# Altium PCB PCB1.PcbDoc (part 2 of 2)
Units mm, origin at the board's own origin, x right, y up, seen from the top; angles counter-clockwise.
Board outline 92 x 92 mm, 2 copper layers (Top Layer, Bottom Layer); 282 components, 201 nets, 653 pads, 138 vias.
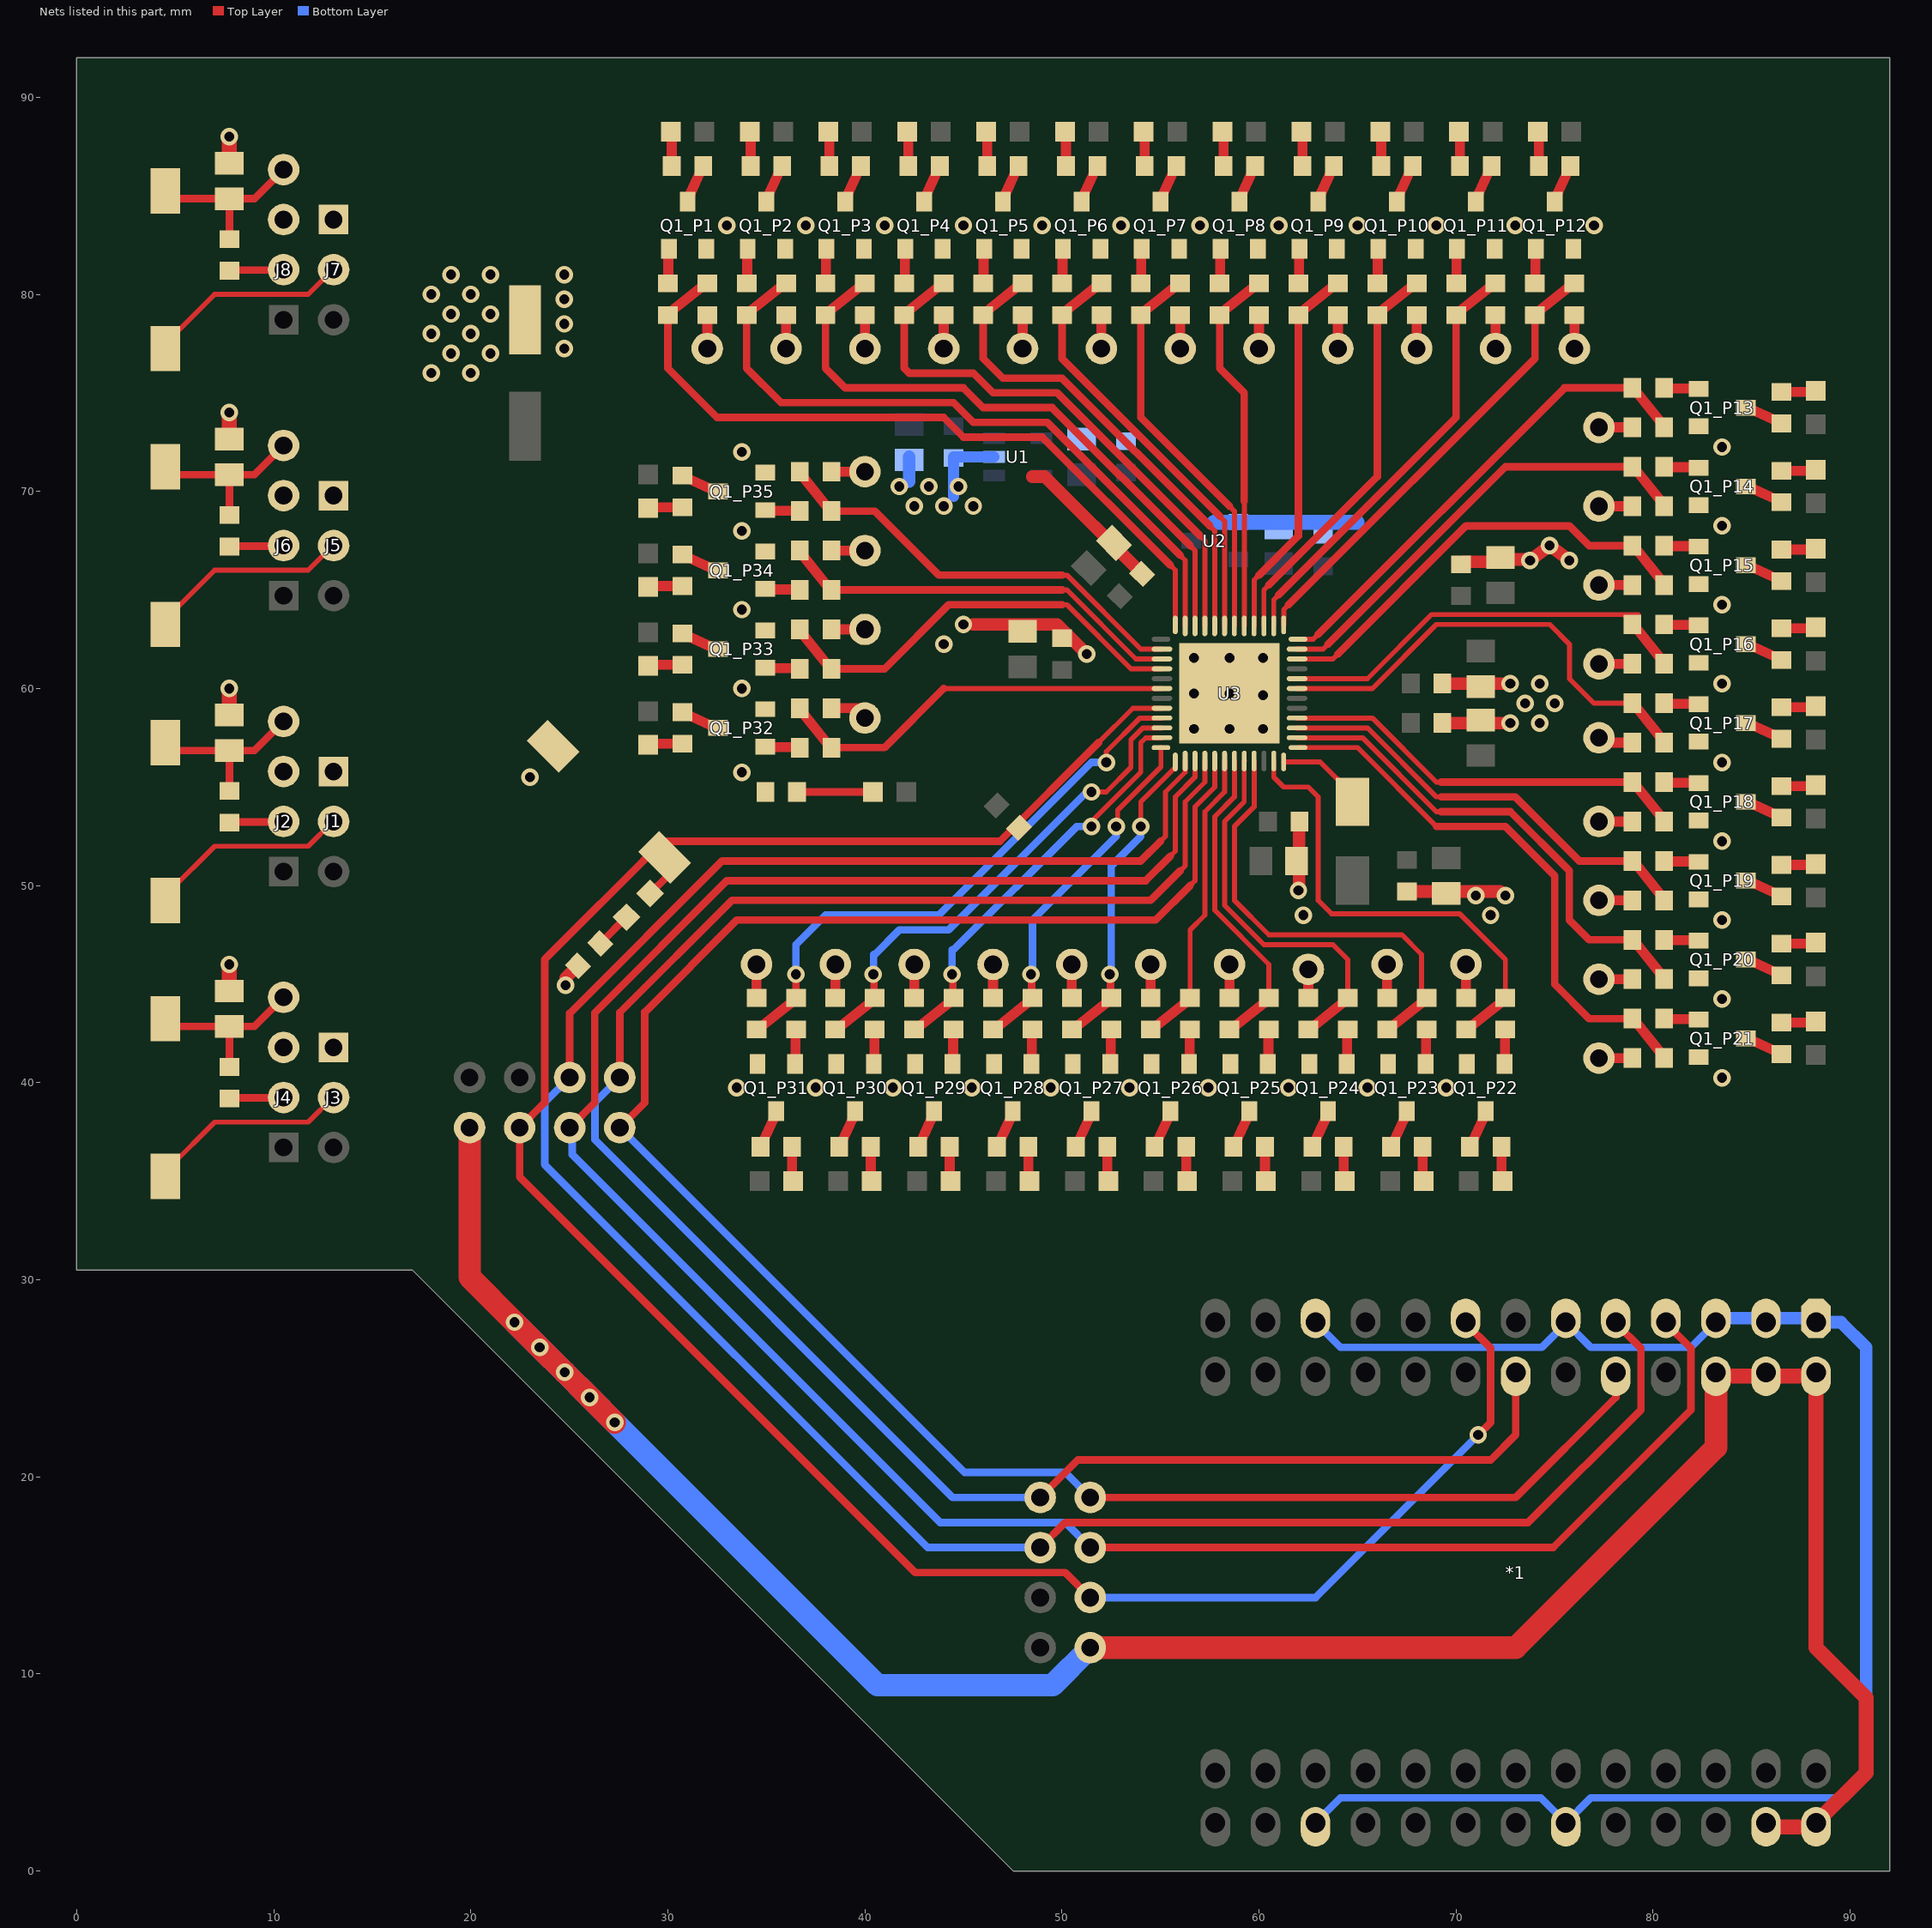
[diagram p2: the nets of this part, all layers, seen from the top]

## Via types
v1: diameter 0.889, hole 0.508, Top Layer to Bottom Layer, tented top, 124 vias
v2: diameter 1.2, hole 0.5, Top Layer to Bottom Layer, tented top, 9 vias
v3: diameter 0.889, hole 0.508, Top Layer to Bottom Layer, 5 vias

## Nets (pads, with @x,y where several pads share a name; then routed paths per layer and width w, separated by ;. In a path a pad name is that pad's centre, name@x,y a point inside that pad or via, vN(x,y) a via of type N, cw(c..) or ccw(c..) an arc to the next point about the centre after c; other vN are vias at no path point) (continued)
CREST: *1.15 D1.2 R3.1 S4.2 TP10.1 TP16.1 U3.8 | length 119.4
  Top Layer w0.254: 51.85,57.25 53.6,59 U3.8@55.075,59
  Top Layer w0.381: 28.75,51.25 S4.2@29.5,52 ; D1.2@29.101,49.601 29.979,50.479 29.979,51.271 S4.2@29.828,51.422 ; S4.2@30,52 29.75,52 S4.2@29.5,52 ; TP16.1@51.435,13.875 50.165,15.145 42.545,15.145 22.48,35.21 TP10.1@22.48,37.72 23.75,38.99 23.75,46.25 S4.2@29.5,52 ; 51.85,57.25 46.85,52.25 29.828,52.25 29.75,52.25 S4.2@29.5,52 ; *1.15@70.485,27.845 70.485,27.795 71.755,26.525 71.755,22.765 v1(71.12,22.13)
  Bottom Layer w0.381: TP16.1@51.435,13.875 62.865,13.875 v1(71.12,22.13)
GND: *1.2 *1.4 *1.6 *1.28 *1.30 C1.2 C2.2 C3.2 C4.2 C5.2 C6.2 C7.2 C8.2 C9.2 C10.2 C11.2 C12.2 C13.2 C14.2 C15.2 C16.2 C17.2 C18.2 C19.2 C20.2 C21.2 C22.2 C23.2 C24.2 C25.2 J1.1 J2.3 J3.1 J4.3 J5.1 J6.3 J7.1 J8.3 Q1_P1.2 Q1_P2.2 Q1_P3.2 Q1_P4.2 Q1_P5.2 Q1_P6.2 Q1_P7.2 Q1_P8.2 Q1_P9.2 Q1_P10.2 Q1_P11.2 Q1_P12.2 Q1_P13.2 Q1_P14.2 Q1_P15.2 Q1_P16.2 Q1_P17.2 Q1_P18.2 Q1_P19.2 Q1_P20.2 Q1_P21.2 Q1_P22.2 Q1_P23.2 Q1_P24.2 Q1_P25.2 Q1_P26.2 Q1_P27.2 Q1_P28.2 Q1_P29.2 Q1_P30.2 Q1_P31.2 Q1_P32.2 Q1_P33.2 Q1_P34.2 Q1_P35.2 R4.1 R6.1 S4.1 TP1.1 TP3.1 U1.2 U2.1 U3.49 | length 183.2
  Top Layer w0.635: v1(24.812,44.938) 24.813,45.313 R4.1@25.434,45.934 ; 45.5,63.25 49.75,63.25 v1(51.25,61.75) ; 48.5,70.75 49.131,70.75 C18.2@54.066,65.816 ; C17.2@49.95,62.55 C17.2@50,62.55 ; v1(62,49.75) 62.025,49.775 62.025,53.225 C20.2@62.05,53.25 ; C21.2@67.5,49.7 72.231,49.7 72.431,49.5 v1(72.5,49.5) ; C12.2@69.3,58.25 v1(72.75,58.25) ; C15.2@69.3,60.25 v1(72.75,60.25) ; C19.2@70.25,66.3 70.382,66.433 72.237,66.433 C13.2@72.353,66.549 ; C13.2@72.25,66.65 72.351,66.549 C13.2@72.353,66.549 ; v1(75.75,66.5) v1(74.75,67.25) v1(73.75,66.5) 73.701,66.549 C13.2@72.353,66.549
  Top Layer w0.762: C14.2@7.75,44.65 v1(7.75,46) ; C1.2@7.75,58.65 v1(7.75,60) ; C22.2@7.75,72.65 v1(7.75,74) ; C23.2@7.75,86.65 v1(7.75,88) ; *1.6@83.185,25.305 83.385,25.105 88.065,25.105 *1.2@88.265,25.305 88.265,11.335 90.805,8.795 90.805,4.985 *1.28@88.265,2.445 88.065,2.245 85.925,2.245 *1.30@85.725,2.445
  Top Layer w0.889: *1.6@83.185,24.905 *1.6@83.385,25.105
  Top Layer w1.143: TP3.1@19.94,37.72 19.94,30.13 v3(22.225,27.845) v3(23.495,26.575) v3(24.765,25.305) v3(26.035,24.035) v3(27.305,22.765) ; TP1.1@51.435,11.335 73.025,11.335 83.185,21.495 *1.6@83.185,24.905
  Bottom Layer w0.559: 44.5,69.75 C10.2@44.5,71.7 44.5,71.75 U1.2@46.55,71.75
  Bottom Layer w0.635: 42.25,70.5 C7.2@42.25,71.6 C7.2@42.25,71.75
  Bottom Layer w0.762: 57.725,68.425 64.975,68.425
  Bottom Layer w1.143: v3(22.225,27.845) v3(23.495,26.575) v3(24.765,25.305) v3(26.035,24.035) v3(27.305,22.765) 40.64,9.43 49.53,9.43 TP1.1@51.435,11.335
  other v1: 33.5,39.75 37.5,39.75 41.425,39.75 45.425,39.75 49.425,39.75 53.425,39.75 57.425,39.75 61.5,39.75 65.5,39.75 69.5,39.75 83.5,40.25 83.5,44.25 83.5,48.25 62.25,48.5 71.75,48.5 71,49.5 83.5,52.25 23,55.5 33.75,55.75 83.5,56.25 74.25,58.25 73.5,59.25 75,59.25 33.75,60 74.25,60.25 83.5,60.25 44,62.25 45,63.25 33.75,64 83.5,64.25 33.75,68 83.5,68.25 42.5,69.25 44,69.25 45.5,69.25 41.75,70.25 43.25,70.25 44.75,70.25 33.75,72 83.5,72.25 18,76 20,76 19,77 21,77 24.75,77.25 18,78 20,78 24.75,78.5 19,79 21,79 24.75,79.75 18,80 20,80 19,81 21,81 24.75,81 33,83.5 37,83.5 41,83.5 45,83.5 49,83.5 53,83.5 57,83.5 61,83.5 65,83.5 69,83.5 73,83.5 77,83.5
  other v2: 56.7,57.95 58.5,57.95 60.2,57.95 60.2,59.65 56.7,59.75 58.5,59.75 56.7,61.55 58.5,61.55 60.2,61.55
MISO: *1.9 TP7.1 TP13.1 U3.14 | length 117.9
  Top Layer w0.254: 55,52.25 55.25,52.5 55.25,54.75 56.248,55.748 56.248,56.323 U3.14@56.25,56.325
  Top Layer w0.381: TP7.1@25.02,40.26 25.02,43.52 32.75,51.25 54,51.25 55,52.25 ; TP13.1@48.895,16.415 50.165,17.685 73.66,17.685 79.375,23.4 79.375,26.525 78.105,27.795 *1.9@78.105,27.845
  Bottom Layer w0.381: TP7.1@25.02,40.26 23.75,38.99 23.75,35.845 43.18,16.415 TP13.1@48.895,16.415
MOSI: *1.10 TP6.1 TP12.1 U3.17 | length 106.4
  Top Layer w0.254: 56.5,50 56.75,50.25 56.75,54 57.75,55 U3.17@57.75,56.325
  Top Layer w0.381: TP6.1@27.56,37.72 28.83,38.99 28.83,43.58 33.5,48.25 54.75,48.25 56.5,50 ; TP12.1@51.435,19.59 TP12.1@51.435,18.955 73.025,18.955 78.105,24.035 *1.10@78.105,25.305
  Bottom Layer w0.381: TP6.1@27.175,38.105 TP6.1@27.56,37.72 45.055,20.225 50.165,20.225 TP12.1@51.435,18.955
Net*1_1: *1.1 *1.3 *1.5 *1.11 *1.21 *1.38 *1.48 | length 82.4
  Bottom Layer w0.381: *1.48@62.865,2.445 64.135,3.715 74.295,3.715 *1.38@75.565,2.445 76.835,3.715 89.535,3.715 ; *1.21@62.865,27.845 64.135,26.575 74.345,26.575 75.565,27.795 *1.11@75.565,27.845 76.835,26.575 81.915,26.575 *1.5@83.185,27.845
  Bottom Layer w0.635: *1.5@83.185,27.845 83.385,28.045 88.065,28.045 *1.1@88.265,27.845 89.535,27.845 90.805,26.575 90.805,4.985 89.535,3.715
NetC1_1: C1.1 R1.1 S1.2 TP17.1 | length 8.8
  Top Layer w0.381: S1.2@4.5,57.25 4.9,56.85 C1.1@7.75,56.85 ; R1.1@7.75,54.8 C1.1@7.75,56.85 ; TP17.1@10.5,58.33 9.02,56.85 C1.1@7.75,56.85
NetC14_1: C14.1 R2.1 S2.2 TP26.1 | length 8.8
  Top Layer w0.381: S2.2@4.5,43.25 4.9,42.85 C14.1@7.75,42.85 ; R2.1@7.75,40.8 C14.1@7.75,42.85 ; TP26.1@10.5,44.33 9.02,42.85 C14.1@7.75,42.85
NetC22_1: C22.1 R5.1 S3.2 TP28.1 | length 8.8
  Top Layer w0.381: S3.2@4.5,71.25 4.9,70.85 C22.1@7.75,70.85 ; R5.1@7.75,68.8 C22.1@7.75,70.85 ; TP28.1@10.5,72.33 9.02,70.85 C22.1@7.75,70.85
NetC23_1: C23.1 R7.1 S5.2 TP30.1 | length 8.8
  Top Layer w0.381: S5.2@4.5,85.25 4.9,84.85 C23.1@7.75,84.85 ; R7.1@7.75,82.8 C23.1@7.75,84.85 ; TP30.1@10.5,86.33 9.02,84.85 C23.1@7.75,84.85
NetD1_1: D1.1 R4.2 | length 1.9
  Top Layer w0.381: R4.2@26.566,47.066 D1.1@27.899,48.399
NetD2_1: D2.1 R6.2 | length 3.8
  Top Layer w0.381: R6.2@36.55,54.75 D2.1@40.4,54.75
NetD3_1: D3.1 U3.24 | length 4.6
  Top Layer w0.254: U3.24@61.25,56.275 63.1,56.275 64.75,54.625 D3.1@64.75,54.25
NetD4_P1_1: D4_P1.1 R10_P1.2 | length 1.8
  Top Layer w0.508: D4_P1.1@30.15,88.3 30.2,88.3 R10_P1.2@30.2,86.55
NetD4_P2_1: D4_P2.1 R10_P2.2 | length 1.8
  Top Layer w0.508: D4_P2.1@34.15,88.3 34.2,88.3 R10_P2.2@34.2,86.55
NetD4_P3_1: D4_P3.1 R10_P3.2 | length 1.8
  Top Layer w0.508: D4_P3.1@38.15,88.3 38.2,88.3 R10_P3.2@38.2,86.55
NetD4_P4_1: D4_P4.1 R10_P4.2 | length 1.8
  Top Layer w0.508: D4_P4.1@42.15,88.3 42.2,88.3 R10_P4.2@42.2,86.55
NetD4_P5_1: D4_P5.1 R10_P5.2 | length 1.8
  Top Layer w0.508: D4_P5.1@46.15,88.3 46.2,88.3 R10_P5.2@46.2,86.55
NetD4_P6_1: D4_P6.1 R10_P6.2 | length 1.8
  Top Layer w0.508: D4_P6.1@50.15,88.3 50.2,88.3 R10_P6.2@50.2,86.55
NetD4_P7_1: D4_P7.1 R10_P7.2 | length 1.8
  Top Layer w0.508: D4_P7.1@54.15,88.3 54.2,88.3 R10_P7.2@54.2,86.55
NetD4_P8_1: D4_P8.1 R10_P8.2 | length 1.8
  Top Layer w0.508: D4_P8.1@58.15,88.3 58.2,88.3 R10_P8.2@58.2,86.55
NetD4_P9_1: D4_P9.1 R10_P9.2 | length 1.8
  Top Layer w0.508: D4_P9.1@62.15,88.3 62.2,88.3 R10_P9.2@62.2,86.55
NetD4_P10_1: D4_P10.1 R10_P10.2 | length 1.8
  Top Layer w0.508: D4_P10.1@66.15,88.3 66.2,88.3 R10_P10.2@66.2,86.55
NetD4_P11_1: D4_P11.1 R10_P11.2 | length 1.8
  Top Layer w0.508: D4_P11.1@70.15,88.3 70.2,88.3 R10_P11.2@70.2,86.55
NetD4_P12_1: D4_P12.1 R10_P12.2 | length 1.8
  Top Layer w0.508: D4_P12.1@74.15,88.3 74.2,88.3 R10_P12.2@74.2,86.55
NetD4_P13_1: D4_P13.1 R10_P13.2 | length 1.8
  Top Layer w0.508: R10_P13.2@86.55,75.05 88.3,75.05 D4_P13.1@88.3,75.1
NetD4_P14_1: D4_P14.1 R10_P14.2 | length 1.8
  Top Layer w0.508: R10_P14.2@86.55,71.05 88.3,71.05 D4_P14.1@88.3,71.1
NetD4_P15_1: D4_P15.1 R10_P15.2 | length 1.8
  Top Layer w0.508: R10_P15.2@86.55,67.05 88.3,67.05 D4_P15.1@88.3,67.1
NetD4_P16_1: D4_P16.1 R10_P16.2 | length 1.8
  Top Layer w0.508: R10_P16.2@86.55,63.05 88.3,63.05 D4_P16.1@88.3,63.1
NetD4_P17_1: D4_P17.1 R10_P17.2 | length 1.8
  Top Layer w0.508: R10_P17.2@86.55,59.05 88.3,59.05 D4_P17.1@88.3,59.1
NetD4_P18_1: D4_P18.1 R10_P18.2 | length 1.8
  Top Layer w0.508: R10_P18.2@86.55,55.05 88.3,55.05 D4_P18.1@88.3,55.1
NetD4_P19_1: D4_P19.1 R10_P19.2 | length 1.8
  Top Layer w0.508: R10_P19.2@86.55,51.05 88.3,51.05 D4_P19.1@88.3,51.1
NetD4_P20_1: D4_P20.1 R10_P20.2 | length 1.8
  Top Layer w0.508: R10_P20.2@86.55,47.05 88.3,47.05 D4_P20.1@88.3,47.1
NetD4_P21_1: D4_P21.1 R10_P21.2 | length 1.8
  Top Layer w0.508: R10_P21.2@86.55,43.05 88.3,43.05 D4_P21.1@88.3,43.1
NetD4_P22_1: D4_P22.1 R10_P22.2 | length 1.8
  Top Layer w0.508: R10_P22.2@72.3,36.7 72.3,34.95 D4_P22.1@72.35,34.95
NetD4_P23_1: D4_P23.1 R10_P23.2 | length 1.8
  Top Layer w0.508: R10_P23.2@68.3,36.7 68.3,34.95 D4_P23.1@68.35,34.95
NetD4_P24_1: D4_P24.1 R10_P24.2 | length 1.8
  Top Layer w0.508: R10_P24.2@64.3,36.7 64.3,34.95 D4_P24.1@64.35,34.95
NetD4_P25_1: D4_P25.1 R10_P25.2 | length 1.8
  Top Layer w0.508: R10_P25.2@60.3,36.7 60.3,34.95 D4_P25.1@60.35,34.95
NetD4_P26_1: D4_P26.1 R10_P26.2 | length 1.8
  Top Layer w0.508: R10_P26.2@56.3,36.7 56.3,34.95 D4_P26.1@56.35,34.95
NetD4_P27_1: D4_P27.1 R10_P27.2 | length 1.8
  Top Layer w0.508: R10_P27.2@52.3,36.7 52.3,34.95 D4_P27.1@52.35,34.95
NetD4_P28_1: D4_P28.1 R10_P28.2 | length 1.8
  Top Layer w0.508: R10_P28.2@48.3,36.7 48.3,34.95 D4_P28.1@48.35,34.95
NetD4_P29_1: D4_P29.1 R10_P29.2 | length 1.8
  Top Layer w0.508: R10_P29.2@44.3,36.7 44.3,34.95 D4_P29.1@44.35,34.95
NetD4_P30_1: D4_P30.1 R10_P30.2 | length 1.8
  Top Layer w0.508: R10_P30.2@40.3,36.7 40.3,34.95 D4_P30.1@40.35,34.95
NetD4_P31_1: D4_P31.1 R10_P31.2 | length 1.8
  Top Layer w0.508: R10_P31.2@36.3,36.7 36.3,34.95 D4_P31.1@36.35,34.95
NetD4_P32_1: D4_P32.1 R10_P32.2 | length 1.8
  Top Layer w0.508: D4_P32.1@28.95,57.15 28.95,57.2 R10_P32.2@30.7,57.2
NetD4_P33_1: D4_P33.1 R10_P33.2 | length 1.8
  Top Layer w0.508: D4_P33.1@28.95,61.15 28.95,61.2 R10_P33.2@30.7,61.2
NetD4_P34_1: D4_P34.1 R10_P34.2 | length 1.8
  Top Layer w0.508: D4_P34.1@28.95,65.15 28.95,65.2 R10_P34.2@30.7,65.2
NetD4_P35_1: D4_P35.1 R10_P35.2 | length 1.8
  Top Layer w0.508: D4_P35.1@28.95,69.15 28.95,69.2 R10_P35.2@30.7,69.2
NetJ1_2: J1.2 S1.1 | length 9.7
  Top Layer w0.254: S1.1@4.75,49.75 7,52 11.75,52 J1.2@13,53.25
NetJ2_2: J2.2 R1.2 | length 2.8
  Top Layer w0.381: R1.2@7.75,53.2 7.775,53.225 10.475,53.225 J2.2@10.5,53.25
NetJ3_2: J3.2 S2.1 | length 9.7
  Top Layer w0.254: S2.1@4.75,35.75 7,38 11.75,38 J3.2@13,39.25
NetJ4_2: J4.2 R2.2 | length 2.8
  Top Layer w0.381: R2.2@7.75,39.2 7.775,39.225 10.475,39.225 J4.2@10.5,39.25
NetJ5_2: J5.2 S3.1 | length 9.7
  Top Layer w0.254: S3.1@4.75,63.75 7,66 11.75,66 J5.2@13,67.25
NetJ6_2: J6.2 R5.2 | length 2.8
  Top Layer w0.381: R5.2@7.75,67.2 7.775,67.225 10.475,67.225 J6.2@10.5,67.25
NetJ7_2: J7.2 S5.1 | length 9.7
  Top Layer w0.254: S5.1@4.75,77.75 7,80 11.75,80 J7.2@13,81.25
NetJ8_2: J8.2 R7.2 | length 2.8
  Top Layer w0.381: R7.2@7.75,81.2 7.775,81.225 10.475,81.225 J8.2@10.5,81.25
NetQ1_P1_1: Q1_P1.1 R8_P1.2 | length 1.8
  Top Layer w0.508: R8_P1.2@30,80.6 30.025,80.625 30.025,82.375 Q1_P1.1@30.05,82.4
NetQ1_P1_3: Q1_P1.3 R10_P1.1 | length 1.9
  Top Layer w0.508: Q1_P1.3@31,84.8 31.781,86.509 R10_P1.1@31.8,86.55
NetQ1_P2_1: Q1_P2.1 R8_P2.2 | length 1.8
  Top Layer w0.508: R8_P2.2@34,80.6 34.025,80.625 34.025,82.375 Q1_P2.1@34.05,82.4
NetQ1_P2_3: Q1_P2.3 R10_P2.1 | length 1.9
  Top Layer w0.508: Q1_P2.3@35,84.8 35.781,86.509 R10_P2.1@35.8,86.55
NetQ1_P3_1: Q1_P3.1 R8_P3.2 | length 1.8
  Top Layer w0.508: R8_P3.2@38,80.6 38.025,80.625 38.025,82.375 Q1_P3.1@38.05,82.4
NetQ1_P3_3: Q1_P3.3 R10_P3.1 | length 1.9
  Top Layer w0.508: Q1_P3.3@39,84.8 39.781,86.509 R10_P3.1@39.8,86.55
NetQ1_P4_1: Q1_P4.1 R8_P4.2 | length 1.8
  Top Layer w0.508: R8_P4.2@42,80.6 42.025,80.625 42.025,82.375 Q1_P4.1@42.05,82.4
NetQ1_P4_3: Q1_P4.3 R10_P4.1 | length 1.9
  Top Layer w0.508: Q1_P4.3@43,84.8 43.781,86.509 R10_P4.1@43.8,86.55
NetQ1_P5_1: Q1_P5.1 R8_P5.2 | length 1.8
  Top Layer w0.508: R8_P5.2@46,80.6 46.025,80.625 46.025,82.375 Q1_P5.1@46.05,82.4
NetQ1_P5_3: Q1_P5.3 R10_P5.1 | length 1.9
  Top Layer w0.508: Q1_P5.3@47,84.8 47.781,86.509 R10_P5.1@47.8,86.55
NetQ1_P6_1: Q1_P6.1 R8_P6.2 | length 1.8
  Top Layer w0.508: R8_P6.2@50,80.6 50.025,80.625 50.025,82.375 Q1_P6.1@50.05,82.4
NetQ1_P6_3: Q1_P6.3 R10_P6.1 | length 1.9
  Top Layer w0.508: Q1_P6.3@51,84.8 51.781,86.509 R10_P6.1@51.8,86.55
NetQ1_P7_1: Q1_P7.1 R8_P7.2 | length 1.8
  Top Layer w0.508: R8_P7.2@54,80.6 54.025,80.625 54.025,82.375 Q1_P7.1@54.05,82.4
NetQ1_P7_3: Q1_P7.3 R10_P7.1 | length 1.9
  Top Layer w0.508: Q1_P7.3@55,84.8 55.781,86.509 R10_P7.1@55.8,86.55
NetQ1_P8_1: Q1_P8.1 R8_P8.2 | length 1.8
  Top Layer w0.508: R8_P8.2@58,80.6 58.025,80.625 58.025,82.375 Q1_P8.1@58.05,82.4
NetQ1_P8_3: Q1_P8.3 R10_P8.1 | length 1.9
  Top Layer w0.508: Q1_P8.3@59,84.8 59.781,86.509 R10_P8.1@59.8,86.55
NetQ1_P9_1: Q1_P9.1 R8_P9.2 | length 1.8
  Top Layer w0.508: R8_P9.2@62,80.6 62.025,80.625 62.025,82.375 Q1_P9.1@62.05,82.4
NetQ1_P9_3: Q1_P9.3 R10_P9.1 | length 1.9
  Top Layer w0.508: Q1_P9.3@63,84.8 63.781,86.509 R10_P9.1@63.8,86.55
NetQ1_P10_1: Q1_P10.1 R8_P10.2 | length 1.8
  Top Layer w0.508: R8_P10.2@66,80.6 66.025,80.625 66.025,82.375 Q1_P10.1@66.05,82.4
NetQ1_P10_3: Q1_P10.3 R10_P10.1 | length 1.9
  Top Layer w0.508: Q1_P10.3@67,84.8 67.781,86.509 R10_P10.1@67.8,86.55
NetQ1_P11_1: Q1_P11.1 R8_P11.2 | length 1.8
  Top Layer w0.508: R8_P11.2@70,80.6 70.025,80.625 70.025,82.375 Q1_P11.1@70.05,82.4
NetQ1_P11_3: Q1_P11.3 R10_P11.1 | length 1.9
  Top Layer w0.508: Q1_P11.3@71,84.8 71.781,86.509 R10_P11.1@71.8,86.55
NetQ1_P12_1: Q1_P12.1 R8_P12.2 | length 1.8
  Top Layer w0.508: R8_P12.2@74,80.6 74.025,80.625 74.025,82.375 Q1_P12.1@74.05,82.4
NetQ1_P12_3: Q1_P12.3 R10_P12.1 | length 1.9
  Top Layer w0.508: Q1_P12.3@75,84.8 75.781,86.509 R10_P12.1@75.8,86.55
NetQ1_P13_1: Q1_P13.1 R8_P13.2 | length 1.8
  Top Layer w0.508: R8_P13.2@80.6,75.25 80.625,75.225 82.375,75.225 Q1_P13.1@82.4,75.2
NetQ1_P13_3: Q1_P13.3 R10_P13.1 | length 1.9
  Top Layer w0.508: Q1_P13.3@84.8,74.25 86.509,73.469 R10_P13.1@86.55,73.45
NetQ1_P14_1: Q1_P14.1 R8_P14.2 | length 1.8
  Top Layer w0.508: R8_P14.2@80.6,71.25 80.625,71.225 82.375,71.225 Q1_P14.1@82.4,71.2
NetQ1_P14_3: Q1_P14.3 R10_P14.1 | length 1.9
  Top Layer w0.508: Q1_P14.3@84.8,70.25 86.509,69.469 R10_P14.1@86.55,69.45
NetQ1_P15_1: Q1_P15.1 R8_P15.2 | length 1.8
  Top Layer w0.508: R8_P15.2@80.6,67.25 80.625,67.225 82.375,67.225 Q1_P15.1@82.4,67.2
NetQ1_P15_3: Q1_P15.3 R10_P15.1 | length 1.9
  Top Layer w0.508: Q1_P15.3@84.8,66.25 86.509,65.469 R10_P15.1@86.55,65.45
NetQ1_P16_1: Q1_P16.1 R8_P16.2 | length 1.8
  Top Layer w0.508: R8_P16.2@80.6,63.25 80.625,63.225 82.375,63.225 Q1_P16.1@82.4,63.2
NetQ1_P16_3: Q1_P16.3 R10_P16.1 | length 1.9
  Top Layer w0.508: Q1_P16.3@84.8,62.25 86.509,61.469 R10_P16.1@86.55,61.45
NetQ1_P17_1: Q1_P17.1 R8_P17.2 | length 1.8
  Top Layer w0.508: R8_P17.2@80.6,59.25 80.625,59.225 82.375,59.225 Q1_P17.1@82.4,59.2
NetQ1_P17_3: Q1_P17.3 R10_P17.1 | length 1.9
  Top Layer w0.508: Q1_P17.3@84.8,58.25 86.509,57.469 R10_P17.1@86.55,57.45
NetQ1_P18_1: Q1_P18.1 R8_P18.2 | length 1.8
  Top Layer w0.508: R8_P18.2@80.6,55.25 80.625,55.225 82.375,55.225 Q1_P18.1@82.4,55.2
NetQ1_P18_3: Q1_P18.3 R10_P18.1 | length 1.9
  Top Layer w0.508: Q1_P18.3@84.8,54.25 86.509,53.469 R10_P18.1@86.55,53.45
NetQ1_P19_1: Q1_P19.1 R8_P19.2 | length 1.8
  Top Layer w0.508: R8_P19.2@80.6,51.25 80.625,51.225 82.375,51.225 Q1_P19.1@82.4,51.2